# KiCad board sr99-stm32-hotswap.kicad_pcb (continued)
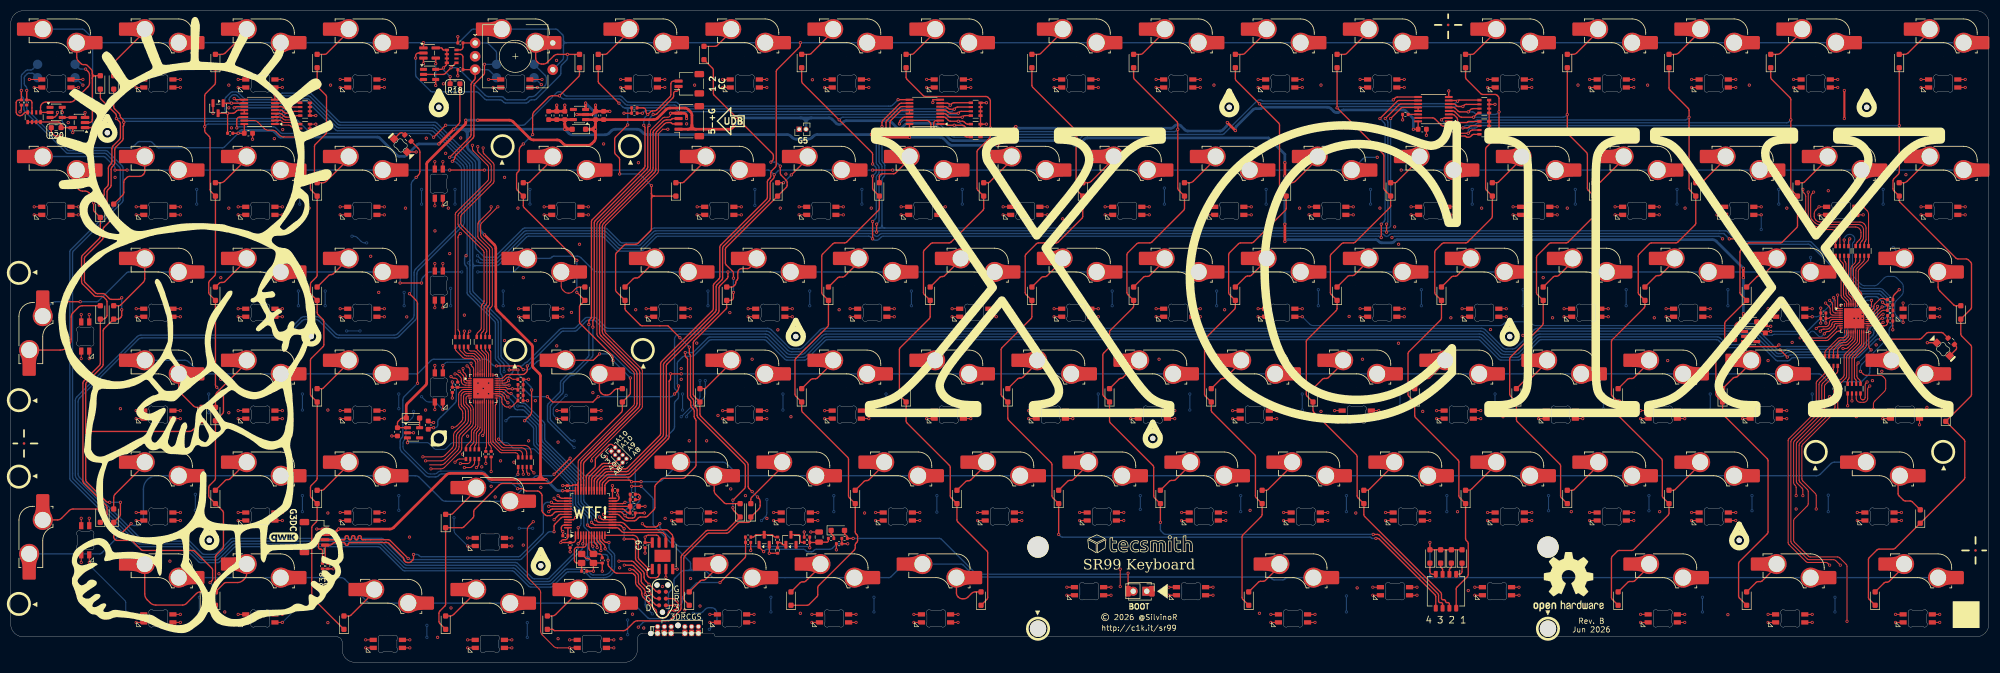
[diagram p0: board, top side]
## Routing (per net, layer and track width the routed paths; a pad name or vN(x,y) marks a point on that pad's centre or on a via; arc(x,y) is an arc through that point) (continued)
  In2.Cu w0.4: v1(106.99,65.41) v1(113.49,65.41)
RED10: length 225.2
  Top w0.2: W65.1 v1(132.98,45.56) ; W70.1 v1(14.67,56.78) ; R32.5 85.44,61.51 arc(85.46,61.6) 85.51,61.69 v1(85.74,61.91) ; W67.1 v1(61.54,45.56) ; W66.1 v1(102.02,45.56) ; W64.1 v1(152.03,45.56) ; W63.1 v1(171.08,45.56) ; W68.1 v1(42.49,45.56) ; W69.1 v1(23.44,45.56)
  Top w0.254: v1(80.71,47.25) W106.1
  In1.Cu w0.4: v1(97.74,53.66) 100.82,53.66 arc(101.21,53.59) 101.54,53.36 103.44,51.46 arc(103.66,51.13) 103.74,50.74 v1(103.74,49.91) ; v1(102.02,45.56) 103.27,44.31 arc(103.43,44.2) 103.63,44.16 110.27,44.16 arc(110.47,44.2) 110.63,44.31 111.59,45.26 arc(111.7,45.43) 111.74,45.62 111.74,45.95 arc(111.78,46.15) 111.89,46.31 v1(113.24,47.66) ; v1(119.99,47.66) 123.19,44.46 arc(123.52,44.24) 123.91,44.16 131.37,44.16 arc(131.56,44.2) 131.73,44.31 v1(132.98,45.56) 134.22,44.31 arc(134.39,44.2) 134.58,44.16 150.42,44.16 arc(150.61,44.2) 150.78,44.31 v1(152.03,45.56) 153.27,44.31 arc(153.44,44.2) 153.63,44.16 169.47,44.16 arc(169.66,44.2) 169.83,44.31 v1(171.08,45.56) ; v1(80.71,47.25) 80.71,47.24 79.54,46.07 arc(79.37,45.96) 79.18,45.92 78.6,45.92 arc(78.41,45.88) 78.24,45.77 76.78,44.31 arc(76.61,44.2) 76.42,44.16 63.15,44.16 arc(62.95,44.2) 62.79,44.31 v1(61.54,45.56) 60.29,44.31 arc(60.12,44.2) 59.93,44.16 44.1,44.16 arc(43.9,44.2) 43.74,44.31 v1(42.49,45.56) 41.24,44.31 arc(41.07,44.2) 40.88,44.16 25.05,44.16 arc(24.85,44.2) 24.69,44.31 v1(23.44,45.56) 21.51,45.56 arc(21.12,45.63) 20.79,45.86 19.81,46.84 arc(19.59,47.17) 19.52,47.55 19.52,49.95 arc(19.48,50.15) 19.37,50.31 14.82,54.86 arc(14.71,55.02) 14.67,55.22 v1(14.67,56.78) ; 60.97,44.99 arc(61.54,45.23) 62.1,44.99 ; 151.46,44.99 arc(152.03,45.23) 152.59,44.99 ; 41.92,44.99 arc(42.49,45.23) 43.05,44.99 ; 132.41,44.99 arc(132.98,45.23) 133.54,44.99
  In2.Cu w0.4: v1(85.74,61.91) 85.74,58.74 ; 85.74,58.74 arc(85.68,58.44) 85.5,58.18 82.04,54.71 arc(81.71,54.49) 81.32,54.41 78.66,54.41 arc(78.27,54.34) 77.94,54.11 77.04,53.21 arc(76.81,52.88) 76.74,52.49 v1(76.74,49.66) ; 85.74,58.74 arc(85.8,58.44) 85.97,58.18 87.69,56.46 arc(88.02,56.24) 88.41,56.16 91.82,56.16 arc(92.21,56.09) 92.54,55.86 92.54,55.86 arc(92.87,55.64) 93.26,55.56 94.99,55.56 arc(95.38,55.64) 95.71,55.86 95.74,55.9 arc(96.07,56.12) 96.46,56.19 96.51,56.19 arc(96.9,56.12) 97.23,55.9 97.44,55.69 arc(97.66,55.36) 97.74,54.97 v1(97.74,53.66) ; v1(113.24,47.66) v1(119.99,47.66) ; 85.17,57.85 arc(85.74,58.08) 86.3,57.85
  Bottom w0.2: v1(103.74,49.91) 101.48,47.66 arc(101.37,47.49) 101.33,47.3 101.33,46.45 arc(101.37,46.26) 101.48,46.09 v1(102.02,45.56) ; v1(80.71,47.25) 79.6,48.36 arc(79.27,48.59) 78.88,48.66 78.16,48.66 arc(77.77,48.74) 77.44,48.96 v1(76.74,49.66)
RED11: length 213.2
  Top w0.2: W85.1 v1(42.49,26.51) ; W83.1 v1(85.35,21.75) ; W79.1 v1(180.6,26.51) ; W84.1 v1(61.54,26.51) ; W86.1 v1(23.44,26.51) ; R29.2 v1(89.74,35.66) ; W81.1 v1(142.5,26.51) ; W80.1 v1(161.55,26.51)
  Top w0.254: W82.1 v1(123.45,26.51)
  In1.Cu w0.4: v1(89.74,35.66) 86.73,35.66 arc(86.34,35.59) 86.01,35.36 83.1,32.46 arc(82.88,32.13) 82.8,31.74 82.8,27.05 82.79,27.04 ; v1(180.6,26.51) 179.33,25.24 arc(179.16,25.13) 178.97,25.09 163.18,25.09 arc(162.99,25.13) 162.82,25.24 v1(161.55,26.51) 160.28,25.24 arc(160.11,25.13) 159.92,25.09 144.13,25.09 arc(143.94,25.13) 143.77,25.24 v1(142.5,26.51) 141.23,25.24 arc(141.06,25.13) 140.87,25.09 125.08,25.09 arc(124.89,25.13) 124.72,25.24 v1(123.45,26.51) 121.03,24.09 arc(120.81,23.76) 120.73,23.37 120.73,19 arc(120.66,18.61) 120.44,18.28 117.78,15.63 arc(117.45,15.41) 117.06,15.33 109.38,15.33 arc(108.99,15.41) 108.66,15.63 105.77,18.51 arc(105.45,18.73) 105.06,18.81 103.45,18.81 arc(103.06,18.89) 102.73,19.11 100.48,21.35 arc(100.15,21.57) 99.76,21.65 98,21.65 arc(97.62,21.57) 97.29,21.35 96.58,20.65 arc(96.25,20.43) 95.86,20.35 86.96,20.35 arc(86.76,20.39) 86.6,20.5 v1(85.35,21.75) 73.12,21.75 arc(72.92,21.78) 72.76,21.89 69.71,24.94 arc(69.55,25.05) 69.35,25.09 63.16,25.09 arc(62.97,25.13) 62.8,25.24 61.54,26.5 v1(61.54,26.51) 56.79,26.51 arc(56.6,26.47) 56.43,26.36 55.31,25.24 arc(55.15,25.13) 54.95,25.09 44.12,25.09 arc(43.92,25.13) 43.76,25.24 v1(42.49,26.51) 36.51,26.51 arc(36.32,26.47) 36.15,26.36 35.03,25.24 arc(34.86,25.13) 34.67,25.09 25.07,25.09 arc(24.87,25.13) 24.71,25.24 v1(23.44,26.51) ; 122.88,25.94 arc(123.45,26.18) 124.02,25.94 ; 160.98,25.94 arc(161.55,26.18) 162.12,25.94 ; 141.93,25.94 arc(142.5,26.18) 143.07,25.94
  Bottom w0.2: v1(82.8,27.04) 82.8,24.71 arc(82.88,24.32) 83.1,23.99 v1(85.35,21.75)
RED12: length 239.8
  Top w0.2: v1(97.61,26.29) 96.79,25.46 arc(96.56,25.13) 96.49,24.74 96.49,16.33 arc(96.56,15.94) 96.79,15.61 98.69,13.71 arc(98.91,13.38) 98.99,12.99 98.99,5.83 arc(99.06,5.44) 99.29,5.11 101.41,2.99 arc(101.74,2.77) 102.13,2.69 v1(104.4,2.69) W98.1 ; W99.1 v1(85.35,2.69) ; W102.1 v1(23.44,7.46) ; W100.1 v1(66.3,2.69) ; W97.1 v1(130.59,7.46) ; W96.1 v1(149.64,7.46) ; W103.1 v1(14.67,18.67) ; R28.2 v1(88.74,37.16) ; W101.1 v1(42.49,7.46) ; W95.1 v1(168.69,7.46)
  In1.Cu w0.4: v1(168.69,7.46) 167.44,6.21 arc(167.28,6.1) 167.09,6.06 151.25,6.06 arc(151.06,6.1) 150.89,6.21 v1(149.64,7.46) 148.39,6.21 arc(148.23,6.1) 148.04,6.06 132.2,6.06 arc(132.01,6.1) 131.84,6.21 v1(130.59,7.46) 125.99,12.06 arc(125.83,12.17) 125.63,12.21 121.89,12.21 arc(121.69,12.17) 121.53,12.06 121.02,11.56 arc(120.78,11.39) 120.49,11.33 119.9,11.33 arc(119.61,11.27) 119.37,11.11 117.92,9.66 arc(117.75,9.41) 117.7,9.12 117.7,8.54 arc(117.64,8.25) 117.47,8 116.26,6.79 arc(116.15,6.62) 116.11,6.43 116.11,5.24 arc(116.07,5.05) 115.96,4.88 112.5,1.42 arc(112.33,1.31) 112.14,1.27 106.03,1.27 arc(105.84,1.31) 105.67,1.42 v1(104.4,2.69) 103.13,1.42 arc(102.96,1.31) 102.77,1.27 86.98,1.27 arc(86.79,1.31) 86.62,1.42 v1(85.35,2.69) 84.08,1.42 arc(83.91,1.31) 83.72,1.27 67.93,1.27 arc(67.74,1.31) 67.57,1.42 v1(66.3,2.69) 63.08,5.91 arc(62.92,6.02) 62.72,6.06 44.1,6.06 arc(43.9,6.1) 43.74,6.21 v1(42.49,7.46) 41.24,6.21 arc(41.07,6.1) 40.88,6.06 25.05,6.06 arc(24.86,6.1) 24.69,6.21 23.44,7.46 v1(23.44,7.46) ; v1(97.61,26.29) 96.79,27.11 arc(96.56,27.44) 96.49,27.83 96.49,31.99 arc(96.41,32.38) 96.19,32.71 95.29,33.61 arc(94.96,33.84) 94.57,33.91 93.41,33.91 arc(93.02,33.99) 92.69,34.21 90.04,36.86 arc(89.71,37.09) 89.32,37.16 v1(88.74,37.16) ; 149.08,6.89 arc(149.64,7.13) 150.21,6.89 ; 84.78,2.13 arc(85.35,2.36) 85.92,2.13 ; 103.83,2.13 arc(104.4,2.36) 104.97,2.13 ; 41.92,6.89 arc(42.49,7.13) 43.05,6.89
  In2.Cu w0.4: v1(21.49,9.41) 23.44,7.46 v1(23.44,7.46)
  Bottom w0.2: v1(14.67,18.67) 14.67,18.41 arc(14.71,18.22) 14.82,18.05 21.34,11.53 arc(21.45,11.37) 21.49,11.18 v1(21.49,9.41)
ROW0: length 491.1
  Top w0.254: v1(147.49,115.84) 147.49,115.37 arc(147.45,115.18) 147.34,115.01 143.14,110.81 arc(143.03,110.65) 142.99,110.45 142.99,92.96 arc(142.95,92.76) 142.84,92.6 142.11,91.87 arc(142,91.71) 141.96,91.51 141.96,90.89 arc(141.93,90.69) 141.82,90.53 141.48,90.19 arc(141.37,90.02) 141.33,89.83 141.33,86.93 arc(141.29,86.73) 141.18,86.57 132.6,77.98 arc(132.49,77.82) 132.45,77.62 132.45,72.06 arc(132.41,71.87) 132.3,71.7 131.39,70.79 arc(131.28,70.62) 131.24,70.43 131.24,66.12 arc(131.2,65.92) 131.09,65.76 121.54,56.2 arc(121.43,56.04) 121.39,55.85 121.39,42.77 arc(121.35,42.58) 121.24,42.41 115.14,36.31 arc(114.97,36.2) 114.78,36.16 111.2,36.16 arc(111,36.12) 110.84,36.01 109.14,34.31 arc(109.03,34.15) 108.99,33.95 U1.29 ; v1(77.09,115.84) SW104.1 ; SW105.1 v1(15.3,99.96) ; 91.71,118.35 SW14.1
  Bottom w0.254: 103.24,116.35 103.24,116.95 arc(103.2,117.15) 103.09,117.31 102.17,118.23 arc(102,118.34) 101.81,118.38 SW14.1 86.42,118.38 arc(86.22,118.34) 86.06,118.23 83.81,115.99 arc(83.65,115.88) 83.45,115.84 SW15.2 SW16.2 SW17.2 15.81,115.84 ; 103.24,116.35 103.24,115.33 ; 103.24,116.35 arc(103.39,115.99) 103.75,115.84 ; 15.81,115.84 arc(15.45,115.99) 15.3,116.35 ; 15.81,115.84 arc(15.45,115.69) 15.3,115.33 ; REF**#15.E 103.09,112.64 arc(103.2,112.8) 103.24,113 103.24,115.33 ; SW1.2 SW2.2 SW3.2 SW4.2 SW5.2 SW6.2 SW7.2 SW8.2 SW9.2 SW10.2 SW11.2 SW12.2 SW13.2 103.75,115.84 ; 15.3,116.35 15.3,115.33 ; 15.3,116.35 15.3,116.48 arc(15.26,116.67) 15.15,116.84 13.75,118.23 arc(13.59,118.34) 13.39,118.38 SW18.1 ; 15.3,115.33 v1(15.3,99.96) ; 103.24,115.33 arc(103.39,115.69) 103.75,115.84
ROW1: length 437.7
  Top w0.254: 142.6,91.15 142.6,90.79 arc(142.57,90.6) 142.46,90.43 142,89.98 arc(141.89,89.81) 141.85,89.62 141.85,86.72 arc(141.81,86.52) 141.7,86.36 133.12,77.77 arc(133.01,77.61) 132.97,77.41 132.97,71.84 arc(132.93,71.64) 132.82,71.48 131.91,70.57 arc(131.8,70.4) 131.76,70.21 131.76,65.89 arc(131.72,65.7) 131.61,65.53 122.07,55.99 arc(121.96,55.82) 121.92,55.63 121.92,42.58 arc(121.88,42.38) 121.77,42.22 115.35,35.8 arc(115.18,35.69) 114.99,35.65 111.4,35.65 arc(111.21,35.61) 111.05,35.5 109.64,34.09 arc(109.53,33.93) 109.49,33.73 U1.28 ; v1(19.49,92.03) v1(21.74,92.03) ; v1(81.99,92.03) v1(88.49,92.03) ; v1(160.99,92.03) v1(164.74,92.03)
  In2.Cu w0.508: v1(259.72,92.03) 257.63,94.11 arc(257.3,94.34) 256.91,94.41 v1(255.24,94.41)
  Bottom w0.254: v1(160.99,92.03) SW30.2 143.68,92.03 arc(143.48,91.99) 143.32,91.88 v1(142.6,91.16) 141.89,91.88 arc(141.72,91.99) 141.53,92.03 SW31.2 SW32.2 v1(88.49,92.03) ; 19.49,92.16 v1(19.49,92.03) 19.49,92.4 arc(19.45,92.59) 19.34,92.75 17.67,94.42 arc(17.51,94.53) 17.32,94.57 SW36.1 ; SW19.2 SW20.2 SW21.2 SW22.2 SW23.2 SW24.2 v1(259.72,92.03) ; v1(21.74,92.03) SW35.2 SW34.2 SW33.2 v1(81.99,92.03) ; 142.6,91.15 142.61,91.16 ; v1(255.24,94.41) 253.27,94.41 arc(252.88,94.34) 252.55,94.11 SW25.2 SW26.2 SW27.2 SW28.2 SW29.2 v1(164.74,92.03)
ROW2: length 416
  Top w0.254: 133.97,72.98 133.97,72.11 arc(133.93,71.91) 133.82,71.75 132.45,70.38 arc(132.34,70.21) 132.3,70.02 132.3,65.68 arc(132.26,65.49) 132.15,65.32 122.6,55.78 arc(122.49,55.61) 122.45,55.42 122.45,42.38 arc(122.42,42.19) 122.31,42.02 115.56,35.28 arc(115.39,35.17) 115.2,35.13 111.61,35.13 arc(111.41,35.09) 111.25,34.98 110.14,33.87 arc(110.03,33.7) 109.99,33.51 U1.27 ; v1(72.74,70.91) v1(76.74,70.91) ; v1(9.74,67.41) v1(12.99,67.41) ; 96.47,75.49 SW50.1
  In1.Cu w0.508: v1(351.63,77.54) 349.17,80 arc(348.84,80.22) 348.45,80.29 342.92,80.29 arc(342.53,80.22) 342.2,80 338.2,75.99 arc(337.87,75.77) 337.48,75.69 v1(336.18,75.69)
  In2.Cu w0.508: v1(87.24,72.98) v1(84.24,72.98)
  Bottom w0.254: v1(9.74,67.41) 8.37,67.41 arc(7.98,67.34) 7.65,67.11 5.98,65.45 SW54.2 ; v1(87.24,72.98) 93.72,72.98 arc(93.92,73.02) 94.08,73.13 SW50.1 100.63,75.52 arc(100.83,75.56) 100.99,75.67 101.1,75.78 arc(101.27,75.89) 101.46,75.93 105.8,75.93 arc(106.19,75.85) 106.52,75.63 108.87,73.28 arc(109.2,73.05) 109.59,72.98 336.19,72.98 336.18,72.98 v1(336.18,75.69) ; v1(76.74,70.91) 76.74,71.31 arc(76.81,71.7) 77.04,72.03 77.69,72.68 arc(78.02,72.9) 78.41,72.98 v1(84.24,72.98) ; v1(12.99,67.41) 16.03,67.41 arc(16.22,67.45) 16.39,67.56 21.65,72.83 arc(21.82,72.94) 22.01,72.98 71.57,72.98 arc(71.96,72.9) 72.29,72.68 72.44,72.53 arc(72.66,72.2) 72.74,71.81 v1(72.74,70.91) ; SW37.1 353.65,75.52 v1(351.63,77.54)
  vias: v1(133.97,72.98)
ROW3: length 365
  Top w0.254: U1.26 110.49,33.28 arc(110.53,33.47) 110.64,33.64 111.46,34.46 arc(111.62,34.57) 111.82,34.61 115.41,34.61 arc(115.61,34.64) 115.77,34.75 122.83,41.81 arc(122.94,41.98) 122.98,42.17 122.98,52.53 arc(122.99,52.61) 123.04,52.67 123.18,52.81 arc(123.22,52.88) 123.24,52.95 v1(123.24,53.93) v1(125.24,53.93) ; SW67.1 108.79,56.47 v1(109.99,57.66) ; v1(90.74,55.41) 94.84,55.41 arc(95.03,55.37) 95.2,55.26 v1(95.74,54.72) ; SW55.1 351.03,56.23 arc(350.81,55.91) 350.74,55.52
  Bottom w0.254: SW70.1 32.53,56.47 arc(32.92,56.39) 33.25,56.17 35.19,54.23 arc(35.52,54) 35.91,53.93 SW69.2 SW68.2 75.79,53.93 arc(75.99,53.97) 76.15,54.08 78.51,56.44 arc(78.76,56.6) 79.05,56.66 88.67,56.66 arc(88.96,56.6) 89.21,56.44 90.09,55.56 arc(90.25,55.45) 90.45,55.41 v1(90.74,55.41) ; v1(125.24,53.93) SW66.2 SW65.2 SW64.2 SW63.2 SW62.2 SW61.2 SW60.2 SW59.2 SW58.2 SW57.2 SW56.2 337.77,53.93 arc(337.97,53.89) 338.13,53.78 339.3,52.61 arc(339.47,52.5) 339.66,52.46 345.47,52.46 arc(345.66,52.5) 345.83,52.61 347.09,53.87 arc(347.2,54.03) 347.24,54.23 347.24,54.95 arc(347.28,55.15) 347.39,55.31 348.39,56.32 arc(348.56,56.43) 348.75,56.47 SW55.1 ; 96.91,54.84 98.24,56.17 arc(98.57,56.39) 98.96,56.47 SW67.1 ; v1(95.74,54.72) 96.59,54.72 arc(96.78,54.76) 96.95,54.87 ; v1(109.99,57.66) 111.83,57.66 arc(112.22,57.59) 112.55,57.36 115.69,54.23 arc(116.02,54) 116.41,53.93 v1(123.24,53.93)
ROW4: length 372.4
  Top w0.254: v1(22.49,25.91) v1(20.24,23.66) ; U1.25 110.99,33.04 arc(111.03,33.24) 111.14,33.4 111.65,33.91 arc(111.81,34.02) 112,34.06 115.45,34.06 arc(115.64,34.02) 115.81,33.91 v1(115.95,33.77) v1(117.74,33.77) ; v1(101.49,35.16) v1(104.49,38.16)
  Bottom w0.254: v1(101.49,35.16) 101.35,35.03 arc(101.19,34.92) 100.99,34.88 98.27,34.88 arc(98.08,34.84) 97.91,34.73 97.69,34.51 arc(97.53,34.4) 97.33,34.36 95.2,34.36 arc(95,34.32) 94.84,34.21 94.75,34.12 arc(94.6,33.76) 94.75,33.4 95.31,32.84 arc(95.45,32.48) 95.31,32.12 SW84.2 81.21,30.11 arc(80.82,30.19) 80.49,30.41 76.32,34.58 arc(75.99,34.8) 75.6,34.88 SW85.2 SW86.2 SW87.2 27.29,34.88 arc(25.52,34.15) 24.79,32.38 24.79,26.65 arc(24.75,26.46) 24.64,26.29 24.07,25.73 arc(23.9,25.62) 23.71,25.58 23.03,25.58 arc(22.84,25.62) 22.67,25.73 v1(22.49,25.91) ; v1(20.24,23.66) 17,20.42 arc(16.83,20.31) 16.64,20.27 SW88.1 ; v1(115.95,33.77) 114.99,34.73 arc(114.82,34.84) 114.63,34.88 107.4,34.88 arc(107.21,34.92) 107.04,35.03 104.64,37.43 arc(104.53,37.6) 104.49,37.79 v1(104.49,38.16) ; 346.5,37.42 340.66,37.42 arc(340.27,37.34) 339.94,37.12 338,35.18 arc(337.67,34.95) 337.28,34.88 SW73.2 SW74.2 SW75.2 SW76.2 SW77.2 SW78.2 SW79.2 SW80.2 SW81.2 SW82.2 136.41,34.88 arc(136.02,34.95) 135.69,35.18 133.75,37.12 arc(133.42,37.34) 133.03,37.42 125.05,37.42 121.69,34.06 arc(121.36,33.84) 120.98,33.77 v1(117.74,33.77)
ROW5: length 385.1
  Top w0.254: v1(115.99,32.91) v1(117.74,32.91) ; D60.2 D59.2 D58.2 D57.2 v1(265.08,22.41) ; U1.22 114.28,29.66 arc(114.47,29.7) 114.64,29.81 v1(114.74,29.91)
  Bottom w0.2: v1(115.99,32.91) 115.99,30.62 arc(115.95,30.43) 115.84,30.26 115.64,30.06 arc(115.47,29.95) 115.28,29.91 v1(114.74,29.91)
  Bottom w0.254: 264.57,15.83 SW92.2 238.45,15.83 arc(238.25,15.79) 238.09,15.68 237.97,15.56 arc(237.81,15.45) 237.61,15.41 235.98,15.41 arc(235.78,15.45) 235.62,15.56 235.39,15.79 arc(235.22,15.9) 235.03,15.94 180.36,15.94 arc(180.17,15.98) 180,16.09 177.88,18.22 arc(177.71,18.33) 177.52,18.37 SW93.1 167.01,18.37 arc(166.81,18.33) 166.65,18.22 164.41,15.98 arc(164.24,15.87) 164.05,15.83 SW94.2 SW95.2 131.32,15.83 arc(131.13,15.87) 130.96,15.98 129.93,17.01 arc(129.76,17.12) 129.57,17.16 127.5,17.16 ; 264.57,15.83 265.59,15.83 ; 264.57,15.83 arc(264.93,15.98) 265.08,16.34 ; v1(117.74,32.91) 119.84,30.81 arc(119.95,30.65) 119.99,30.45 119.99,25.87 arc(120.03,25.68) 120.14,25.51 126.84,18.81 arc(126.95,18.65) 126.99,18.45 126.99,17.67 ; 265.59,15.83 SW91.2 SW90.2 SW89.2 ; 265.59,15.83 arc(265.23,15.98) 265.08,16.34 ; 127.5,17.16 126.48,17.16 ; 127.5,17.16 arc(127.14,17.31) 126.99,17.67 ; SW100.2 SW99.2 61.69,15.83 arc(62.07,15.75) 62.4,15.53 66.57,11.36 arc(66.9,11.14) 67.29,11.06 SW98.2 SW97.2 SW96.2 116.03,11.06 arc(116.22,11.03) 116.39,10.92 118.99,8.31 arc(119.16,8.2) 119.35,8.16 121.9,8.16 arc(122.1,8.2) 122.26,8.31 122.7,8.75 arc(122.81,8.92) 122.85,9.11 122.85,12.76 arc(122.89,12.96) 123,13.12 123.73,13.85 arc(123.84,14.01) 123.88,14.21 123.88,15.34 arc(123.91,15.53) 124.02,15.7 125.34,17.01 arc(125.5,17.12) 125.7,17.16 126.48,17.16 ; 126.99,17.67 arc(126.84,17.31) 126.48,17.16 ; v1(265.08,22.41) 265.08,16.34
SCK: length 489.9
  Top w0.2: v1(349.54,66.44) 349.54,66.44 348.15,65.06 arc(347.99,64.95) 347.8,64.91 U9.27 ; U10.27 v1(93.09,51.81)
  Top w0.254: U3.11 166.43,103.89 arc(166.24,103.85) 166.07,103.74 163.64,101.3 arc(163.53,101.14) 163.49,100.94 v1(163.49,99.66) ; v1(256.74,101.66) 259.31,104.24 arc(259.48,104.35) 259.67,104.39 U2.11 ; v1(107.74,25.66) 108.09,25.31 arc(108.25,25.2) 108.45,25.16 U1.13 113.19,25.16 arc(113.39,25.12) 113.55,25.01 114.14,24.43 arc(114.3,24.32) 114.49,24.28 121.58,24.28 arc(121.78,24.24) 121.94,24.13 122.22,23.85 arc(122.33,23.69) 122.37,23.49 U5.6 ; v1(161.74,81.91) v1(161.74,80.41) ; v1(256.99,81.92) v1(256.99,80.41) ; U4.11 42.17,103.89 arc(41.98,103.85) 41.81,103.74 v1(41.74,103.66)
  In2.Cu w0.508: v1(93.09,51.81) 92.07,50.79 arc(91.96,50.62) 91.92,50.43 91.92,46.15 arc(91.99,45.77) 92.21,45.44 v1(92.49,45.16) ; v1(87.2,76.01) v1(85.05,76.01)
  Bottom w0.254: v1(107.74,25.66) 107.74,27.01 arc(107.7,27.21) 107.59,27.37 105.64,29.32 arc(105.53,29.49) 105.49,29.68 105.49,33.39 arc(105.45,33.59) 105.34,33.75 98.34,40.76 arc(98.23,40.92) 98.19,41.12 98.19,43.87 arc(98.15,44.07) 98.04,44.23 96.51,45.76 arc(96.34,45.87) 96.15,45.91 93.45,45.91 arc(93.25,45.87) 93.09,45.76 v1(92.49,45.16) ; v1(256.99,81.92) 257.07,82.01 arc(257.18,82.17) 257.22,82.37 257.22,100.97 arc(257.18,101.16) 257.07,101.33 v1(256.74,101.66) ; v1(349.54,66.44) 349.87,66.44 arc(350.23,66.59) 350.37,66.95 350.37,67.39 arc(350.34,67.59) 350.23,67.75 349.23,68.74 arc(349.07,68.85) 348.87,68.89 345.47,68.89 arc(345.27,68.93) 345.11,69.04 336.14,78.01 arc(335.97,78.12) 335.78,78.16 323.19,78.16 arc(322.99,78.2) 322.83,78.31 320.61,80.53 arc(320.45,80.64) 320.25,80.68 257.46,80.68 ; v1(161.74,81.91) 162.04,82.22 arc(162.15,82.38) 162.19,82.57 162.19,90.42 arc(162.23,90.62) 162.34,90.78 162.59,91.03 arc(162.7,91.2) 162.74,91.39 162.74,92.68 arc(162.7,92.88) 162.59,93.04 162.34,93.29 arc(162.23,93.46) 162.19,93.65 162.19,98.15 arc(162.23,98.35) 162.34,98.51 v1(163.49,99.66) ; v1(93.09,51.81) 92.33,51.81 arc(91.97,51.96) 91.83,52.32 91.83,53.4 arc(91.79,53.6) 91.68,53.76 91.59,53.85 arc(91.48,54.01) 91.44,54.21 91.44,55.52 arc(91.4,55.71) 91.29,55.88 90.68,56.49 arc(90.57,56.65) 90.54,56.85 90.54,63.38 arc(90.5,63.57) 90.39,63.74 85.4,68.73 arc(85.29,68.89) 85.25,69.09 85.25,73.69 arc(85.21,73.88) 85.1,74.05 84.92,74.22 arc(84.81,74.39) 84.77,74.58 84.77,75.52 arc(84.81,75.72) 84.92,75.88 v1(85.05,76.01) 85.1,76.06 arc(85.21,76.23) 85.25,76.42 85.25,92.72 arc(85.21,92.91) 85.1,93.08 78.93,99.24 arc(78.77,99.35) 78.58,99.39 61.05,99.39 arc(60.86,99.43) 60.69,99.54 55.51,104.72 arc(55.34,104.83) 55.15,104.87 51.37,104.87 arc(51.18,104.83) 51.01,104.72 50.1,103.81 arc(49.93,103.7) 49.74,103.66 v1(41.74,103.66) ; v1(87.2,76.01) 87.2,76.01 87.85,75.35 arc(88.02,75.24) 88.21,75.2 90.35,75.2 arc(90.55,75.24) 90.71,75.35 95.89,80.53 arc(96.05,80.64) 96.25,80.68 110.8,80.68 arc(110.99,80.64) 111.16,80.53 113.63,78.05 arc(113.8,77.94) 113.99,77.9 117.25,77.9 arc(117.44,77.94) 117.61,78.05 120.09,80.53 arc(120.25,80.64) 120.45,80.68 161.26,80.68 ; 257.46,80.68 256.51,80.68 ; 257.46,80.68 arc(257.27,80.64) 257.1,80.53 v1(256.99,80.41) 256.87,80.53 arc(256.71,80.64) 256.51,80.68 ; 161.26,80.68 162.21,80.68 ; 161.26,80.68 arc(161.46,80.64) 161.62,80.53 v1(161.74,80.41) 161.85,80.53 arc(162.02,80.64) 162.21,80.68 ; 162.21,80.68 256.51,80.68
SCL: length 59.9
  Top w0.254: v1(75.24,20.16) 75.24,19.48 arc(75.2,19.28) 75.09,19.12 74.77,18.8 arc(74.61,18.69) 74.41,18.65 74.07,18.65 arc(73.88,18.69) 73.71,18.8 73.52,18.99 arc(73.44,19.11) 73.41,19.26 73.41,19.33 arc(73.38,19.48) 73.3,19.6 70.66,22.24 arc(70.5,22.35) 70.3,22.38 63.32,22.38 arc(63.15,22.31) 63.08,22.14 63.08,22.09 arc(63.01,21.92) 62.84,21.85 62.72,21.85 arc(62.55,21.92) 62.48,22.09 62.48,22.14 arc(62.41,22.31) 62.24,22.38 60.51,22.38 arc(60.31,22.35) 60.15,22.24 59.97,22.06 arc(59.81,21.95) 59.61,21.91 J2.4 58.74,19.62 arc(58.78,19.43) 58.89,19.26 59.09,19.06 arc(59.2,18.9) 59.24,18.7 R37.1 ; U1.39 101.45,29.66 arc(101.25,29.7) 101.09,29.81 v1(100.99,29.91)
  Bottom w0.254: v1(100.99,29.91) 100.2,29.91 arc(100,29.87) 99.84,29.76 99.64,29.56 arc(99.53,29.4) 99.49,29.2 99.49,24.4 arc(99.45,24.2) 99.34,24.04 95.19,19.89 arc(95.02,19.78) 94.83,19.74 76.7,19.74 arc(76.5,19.78) 76.34,19.89 76.21,20.01 arc(76.05,20.12) 75.85,20.16 v1(75.24,20.16)
SDA: length 63.7
  Top w0.254: J2.3 62.24,22.91 arc(62.41,22.98) 62.48,23.15 62.48,23.43 arc(62.55,23.6) 62.72,23.67 62.84,23.67 arc(63.01,23.6) 63.08,23.43 63.08,23.15 arc(63.15,22.98) 63.32,22.91 63.44,22.91 arc(63.61,22.98) 63.68,23.15 63.68,23.43 arc(63.75,23.6) 63.92,23.67 64.04,23.67 arc(64.21,23.6) 64.28,23.43 64.28,23.15 arc(64.35,22.98) 64.52,22.91 64.64,22.91 arc(64.81,22.98) 64.88,23.15 64.88,23.43 arc(64.95,23.6) 65.12,23.67 65.24,23.67 arc(65.41,23.6) 65.48,23.43 65.48,23.15 arc(65.55,22.98) 65.72,22.91 70.53,22.91 arc(70.72,22.87) 70.89,22.76 v1(74.24,19.41) ; J2.3 62.35,22.91 ; J2.3 58,22.91 arc(57.64,22.76) 57.49,22.4 57.49,21.46 arc(57.58,21.25) 57.79,21.16 57.94,21.16 arc(58.15,21.07) 58.24,20.86 R38.1 ; U1.44 103.18,27.16 arc(102.99,27.12) 102.83,27.01 101.64,25.82 arc(101.53,25.66) 101.49,25.47 v1(101.49,24.41)
  Bottom w0.254: v1(74.24,19.41) 74.31,19.34 arc(74.47,19.23) 74.66,19.2 95.06,19.2 arc(95.25,19.23) 95.42,19.34 100.34,24.26 arc(100.5,24.37) 100.7,24.41 v1(101.49,24.41)
SWCLK: length 50.4
  Top w0.254: U1.38 102.2,30.16 arc(102,30.2) 101.84,30.31 v1(101.49,30.66) ; v1(114.6,18.16) 115.98,18.16 arc(116.17,18.12) 116.34,18.01 117.62,16.73 arc(117.73,16.56) 117.77,16.37 117.77,15.18 arc(117.81,14.98) 117.92,14.82 119.22,13.51 arc(119.33,13.35) 119.37,13.15 v1(119.37,12.95) 120.27,12.06 arc(120.43,11.95) 120.63,11.91 J3.4
  In1.Cu w0.508: v1(101.49,30.66) 101.58,30.57 arc(101.82,30.41) 102.11,30.35 111.34,30.35 arc(111.63,30.29) 111.88,30.13 112.76,29.25 arc(112.93,29) 112.99,28.71 112.99,27.15 arc(113.04,26.86) 113.21,26.61 113.52,26.3 arc(113.69,26.05) 113.75,25.76 113.75,23.02 arc(113.81,22.73) 113.97,22.48 114.37,22.07 arc(114.54,21.83) 114.6,21.54 v1(114.6,18.16)
  In2.Cu w0.508: v1(119.37,12.95) 119.37,10.26 arc(119.33,10.06) 119.22,9.9 119.04,9.72 arc(118.93,9.55) 118.89,9.36 118.89,8.83 arc(118.93,8.63) 119.04,8.47 119.27,8.23 arc(119.44,8.12) 119.63,8.08 124.89,8.08 arc(125.61,7.79) 125.91,7.07 REF**#12.4 J6.4
SWDIO: length 45.6
  Top w0.254: v1(102.24,31.16) 102.59,30.81 arc(102.75,30.7) 102.95,30.66 U1.37 ; J3.2 120.77,10.64 arc(120.57,10.68) 120.41,10.79 v1(118.52,12.68) 118.52,13.07 arc(118.44,13.46) 118.22,13.79 117.4,14.61 arc(117.29,14.77) 117.25,14.97 117.25,16.14 arc(117.21,16.34) 117.1,16.5 116.39,17.21 arc(116.23,17.32) 116.03,17.36 v1(115.63,17.36)
  In1.Cu w0.508: 115.62,17.36 115.63,17.36 115.63,25.04 arc(115.57,25.33) 115.4,25.57 114.01,26.97 arc(113.85,27.21) 113.79,27.51 113.79,29.05 arc(113.73,29.34) 113.57,29.58 112.21,30.94 arc(111.96,31.1) 111.67,31.16 v1(102.24,31.16) ; J6.2 REF**#12.2 122.1,7.41 arc(121.87,7.94) 121.34,8.17 121.15,8.17 arc(120.76,8.25) 120.43,8.47 v1(119.85,9.05)
  Bottom w0.254: v1(118.52,12.68) 118.52,10.8 arc(118.6,10.41) 118.82,10.08 v1(119.85,9.05)
SWSCL: length 52
  Top w0.254: v1(113.61,18.91) 115.98,18.91 arc(116.18,18.87) 116.34,18.76 118.16,16.95 arc(118.27,16.79) 118.3,16.59 118.3,15.93 arc(118.38,15.55) 118.6,15.22 v1(119.24,14.58) 120.49,13.33 arc(120.65,13.22) 120.85,13.18 J3.6 ; U1.40 v1(100.49,29.16)
  In1.Cu w0.508: 113.62,18.91 113.61,18.92 113.61,21.15 arc(113.55,21.44) 113.38,21.69 113.11,21.96 arc(112.94,22.21) 112.89,22.5 112.89,25.41 arc(112.83,25.71) 112.66,25.95 112.31,26.31 arc(112.14,26.56) 112.08,26.85 112.08,28.38 arc(112.02,28.67) 111.86,28.92 111.52,29.26 arc(111.27,29.42) 110.98,29.48 102.66,29.48 arc(102.56,29.46) 102.48,29.41 102.06,28.99 arc(101.98,28.93) 101.88,28.91 100.92,28.91 100.67,29.16 v1(100.49,29.16)
  In2.Cu w0.508: v1(119.24,14.58) 120.02,13.8 arc(120.24,13.47) 120.32,13.08 120.32,11.74 arc(120.62,11.02) 121.33,10.73 122.19,10.73 arc(122.73,10.5) 122.95,9.96 122.95,9.67 arc(123.17,9.13) 123.71,8.91 126.18,8.91 arc(126.57,8.83) 126.9,8.61 128.3,7.21 arc(128.41,7.05) 128.45,6.85 REF**#12.6 J6.6
SYNC: length 278.6
  Top w0.2: U9.30 347.02,66.11 arc(347.22,66.15) 347.38,66.26 347.41,66.28 arc(347.52,66.45) 347.56,66.64 v1(347.56,67.66) ; 92.99,53.81 92.79,53.81 arc(92.59,53.77) 92.43,53.66 91.92,53.16 arc(91.76,53.05) 91.56,53.01 U10.30
  Top w0.254: 92.99,53.81 95.68,53.81 arc(95.87,53.85) 96.04,53.96 96.34,54.26 arc(96.45,54.43) 96.49,54.62 v1(96.49,55.41)
  Bottom w0.254: v1(347.56,67.66) 346.77,67.66 arc(346.57,67.62) 346.41,67.51 343.24,64.34 arc(343.13,64.18) 343.09,63.98 343.09,61.13 arc(343.01,60.74) 342.79,60.41 341.2,58.82 arc(340.87,58.6) 340.48,58.52 331.81,58.52 arc(331.61,58.48) 331.45,58.37 330.93,57.86 arc(330.77,57.75) 330.57,57.71 330.19,57.71 arc(329.99,57.75) 329.83,57.86 325.61,62.08 arc(325.44,62.19) 325.25,62.23 324.67,62.23 arc(324.48,62.19) 324.31,62.08 324.3,62.06 arc(324.13,61.95) 323.94,61.91 285.44,61.91 arc(285.05,61.84) 284.72,61.61 281.47,58.36 arc(281.14,58.14) 280.75,58.07 279.21,58.07 arc(278.82,58.14) 278.49,58.36 275.24,61.61 arc(274.91,61.84) 274.52,61.91 152.1,61.91 arc(151.71,61.84) 151.38,61.61 148.12,58.36 arc(147.79,58.14) 147.4,58.06 145.84,58.06 arc(145.46,58.14) 145.13,58.36 141.87,61.61 arc(141.54,61.84) 141.15,61.91 111.34,61.91 arc(111.14,61.95) 110.98,62.06 109.24,63.79 arc(109.08,63.9) 108.89,63.94 107.84,63.94 arc(107.65,63.9) 107.48,63.79 105.75,62.06 arc(105.59,61.95) 105.39,61.91 103.2,61.91 arc(103,61.87) 102.84,61.76 v1(96.49,55.41)
